# KiCad board haasoscope_pro_adc_fpga_board.kicad_pcb (continued)
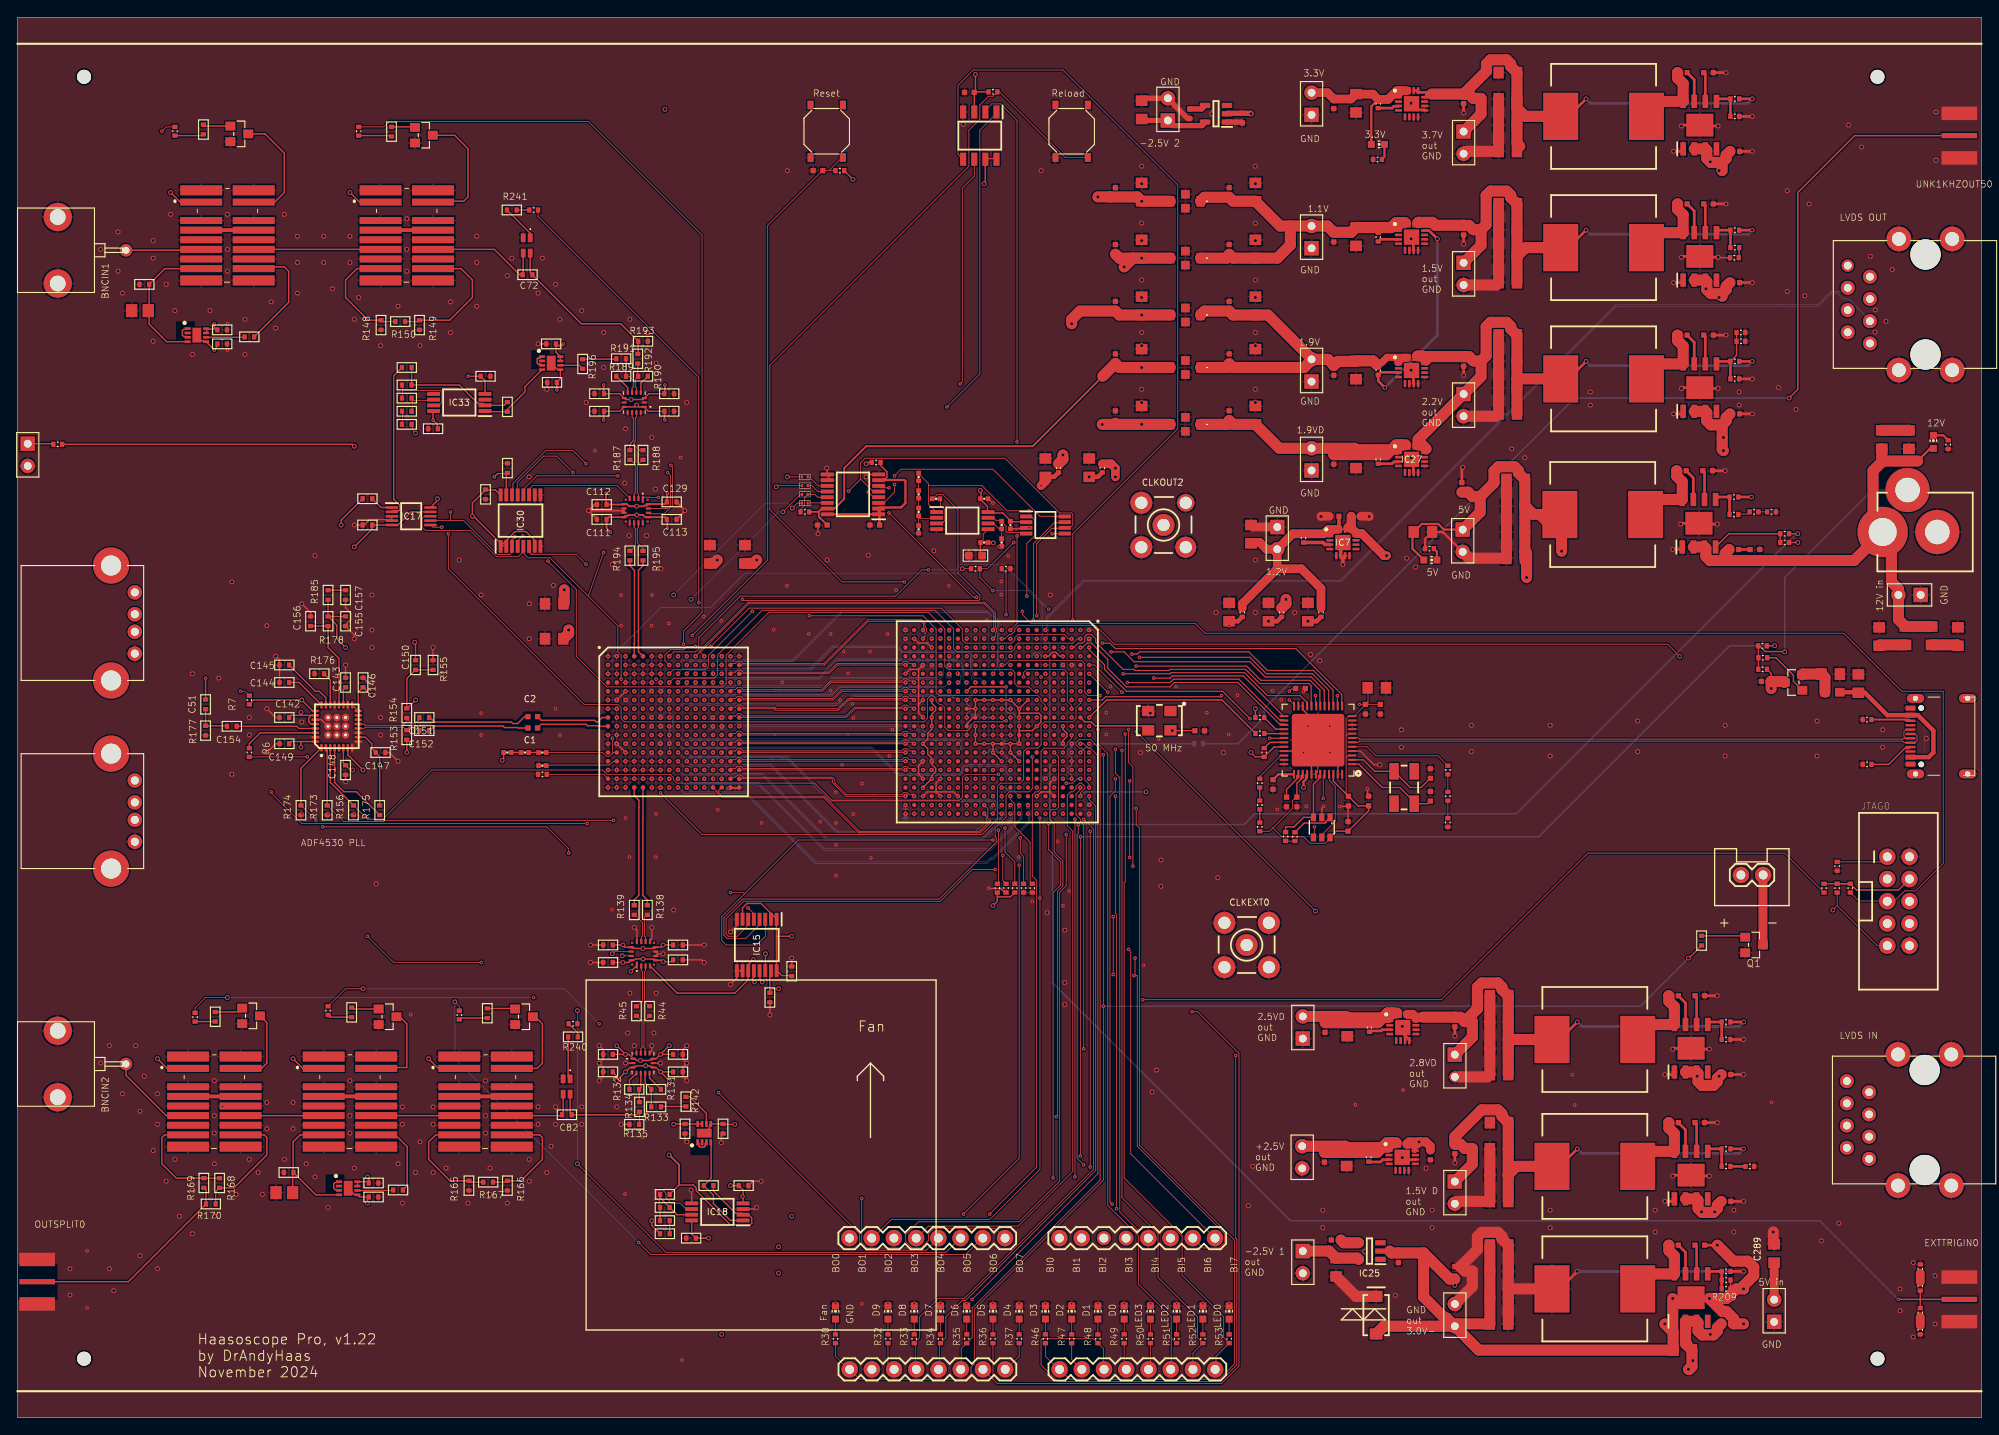
[diagram p0: board, top side]
## Routing (per net, layer and track width the routed paths; a pad name or vN(x,y) marks a point on that pad's centre or on a via; arc(x,y) is an arc through that point) (continued)
2V5-2: length 96
  Top w0.152: FL4.9 61.75,119.75 FL4.5 62.05,118.7 C133.P$1 ; FL2.9 20.5,123.62 21.12,123 21.5,123 FL2.5 v1(22.5,122) 22.75,122.25 22.75,122.62 C56.P$1 ; C108.P$1 72.15,117 IC21.3 71.49,116.34 v2(70.15,116.34) 69.51,116.34 IC21.8 68.85,117 C110.P$1 ; IC33.4 53.44,118.51 C135.P$1 v1(51.5,119)
  Top w0.2: v1(67,118) 67,117.05 C110.P$1 ; v1(74,118) 74,117.05 C108.P$1 ; v1(67.28,105.64) 67.28,104.39 C112.P$1 69.28,104.34 IC29.5 69.66,104.39 69.91,104.14 v2(70.78,104.14) 71.63,104.14 71.74,104.24 71.98,104.24 IC29.16 73.98,104.39 C129.P$1 74.23,105.59 v1(74.28,105.64) ; C133.P$1 v1(61.65,117.45)
  Top w0.61: C76.1 128.67,148.23 J4.1 132.08,147.65 135.41,147.65 135.75,147.99 IC10.5
  In4.Cu w1.27: J4.1 130.23,149.5 v2(74,149.5)
2V5D: length 119.5
  Top w0.152: R87.P$1 144.5,92.51 ; R90.P$1 119,109.01
  Top w0.305: 156.69,45.76 156.8,45.45 IC28.1 ; 157.15,46.23 157.55,46.2 IC28.16 ; 157.66,46.23 158.05,46.2 IC28.15 ; R220.P$1 154.55,45.2 154.55,45.12
  Top w1.27: v2(145,93.5) 145,93.01 144.5,92.51 ; v2(119.5,110) 119.5,109.51 119,109.01 ; 157.15,46.23 156.6,46.23 156.04,45.67 C257.1 151.83,45.84 J37.2 ; 157.15,46.23 157.66,46.23 ; 157.15,46.23 156.69,45.77 156.69,45.76 156.12,45.76 155.49,45.12 C258.1
  In4.Cu w1.27: v2(119.5,110) 134,110 135.5,108.5 135.5,97.5 139.5,93.5 v2(145,93.5) 152.42,93.5 152.42,51.34 J37.2
2V5DACOUT: length 113.1
  Top w0.089: R181.P$2 45.12,113.5 45.12,112.88 v2(45.5,112.5)
  Top w0.152: R172.P$2 72.5,21.95 v2(72.5,22.5) ; IC17.10 48,104.8 v2(48,105)
  In7.Cu w0.152: v2(72.5,22.5) 76.5,26.5 76.5,31 69.5,31 67,33.5 67,35 48,54 v2(48,105) 48,110 v2(45.5,112.5)
2V8D: length 63.4
  Top w0.089: IC28.12 159.88,45.38 159.85,45.6
  Top w0.305: 160.65,45.75 160.05,45.95 159.05,45.95 ; R227.P$2 v2(197.3,45.2) ; IC28.14 158.93,46.07 159.05,45.95 ; 159.05,45.95 IC28.13 ; L11.2 176.3,43.2 v2(178.3,45.2)
  Top w1: 159.85,45.6 159.85,45.7 159.81,45.75 ; 159.48,46.07 159.47,46.09 158.89,46.09 158.9,46.07 159.48,46.07 ; 159.48,46.07 159.81,45.75 ; 159.81,45.75 160.65,45.75
  Top w1.27: C305.1 C304.1 170.4,43.2 ; 170.4,43.2 L11.2 ; 170.4,43.2 C302.1 C303.1 169.69,48.91 169.69,49.2 169.23,49.66 167.37,49.66 166.88,49.17 166.88,46.71 165.42,45.25 ; 160.65,45.75 C274.1 164.31,45.74 164.93,45.74 165.42,45.25 ; 165.42,45.25 166.3,45.25 166.3,43.47 J42.1
  Bottom w0.305: v2(178.3,45.2) 178.8,44.7 196.8,44.7 v2(197.3,45.2)
3V0-: length 263.2
  Top w0.152: R209.P$1 195.81,14.71 R232.P$1
  Top w0.305: C281.2 v2(194.3,19.7) ; v2(193.4,13.6) 191.4,13.6 PS13.9 189.3,13.7 v2(189.2,13.6) ; PS13.1 189.11,10.7 v2(188.3,10.7) ; IC25.2 155.8,18.95 156.3,18.95 156.85,19.02 ; R232.P$1 v2(197.3,14.7) ; v2(164.3,15.1) C282.2 ; C279.2 196.17,10.7
  Top w0.61: IC10.2 138.3,149.05 C77.1 140.95,149.05 v2(141,149)
  Top w1.27: v2(194.3,19.7) 196.13,17.87 197.78,17.87 198.47,17.18 198.47,16.22 197.3,15.05 v2(197.3,14.7) 196.46,14.7 195.38,13.61 193.41,13.61 v2(193.4,13.6) 194.88,12.12 195.34,12.12 196.17,11.29 196.17,10.7 v2(197.3,10.7) ; C295.2 C294.2 C296.2 C297.2 164.57,10.7 J44.2 ; D10.A 156.18,10.43 J44.2 ; 160.73,18.81 C252.1 157.07,18.81 156.85,19.02 ; 160.73,18.81 163.72,15.81 164.3,15.81 ; 160.73,18.81 160.73,13.78 163.15,11.36 163.37,11.36 J44.2 ; v2(189.2,13.6) 189.2,9.8 ; 189.2,9.8 v2(188.3,10.7) ; 189.2,9.8 189.24,9.76 189.24,7.85 189.3,7.79 C288.2 167.03,7.7 J44.2
  In4.Cu w1.27: v2(141,149) 173.54,116.46 173.54,95.57 173.5,95.53 173.5,19.63 J44.2
3V3: length 155.5
  Top w0.152: 52,103.12 55.37,99.75 ; 52,103.12 v2(52,103) ; 52,103.12 52,104.5 53.5,106 ; 55.37,99.75 IC30.1 55.25,99.62 ; 55.37,99.75 55.25,99.62 ; 55.37,99.75 56.87,101.25 58.12,101.25 59.12,100.25 IC30.7 ; 112,59.5 112,59 v2(111.5,58.5) ; 112,59.5 113.5,59.5 R84.P$2 ; 112,59.5 R80.P$2 ; 157.85,151.27 157.88,150.88 IC22.1 ; IC6.3 109.38,149.25 109.38,151.38 C58.2 ; 32.4,80.25 31.3,80.25 C142.P$2 ; 32.4,80.25 U2.26 33.61,80.25 33.3,79.94 33.3,79.56 33.3,79.56 33.3,79.5 33.55,79.25 U2.28 ; 32.4,80.25 v2(32.4,80.6) ; 109.5,151.5 109.38,151.5 C58.2 ; 109.5,151.5 v2(109.5,153.5) ; 109.5,151.5 C58.2 ; 109.5,151.5 R79.P$2 ; 53.5,106 C131.P$1 ; 53.5,106 54.62,106 55.12,105.5 IC30.16 ; R15.P$1 97.15,109.15 v2(97,109) ; v2(110.5,141) 110.62,141.12 110.62,143.75 IC6.7 110.75,143.88 111.88,143.88 IC6.8 ; v2(38.5,99.5) 40.5,101.5 40.5,102 C98.P$1 IC17.5 43.5,102 45,103.5 IC17.9 ; R82.P$2 R91.P$2 ; R91.P$2 R92.P$2 ; R91.P$2 210.2,60.3 215.03,60.3 JTAG0.4 ; U2.17 U2.16 38.95,82.9 C143.P$1 40.35,82.6 v2(40.5,82.6) ; R130.1 111.5,100 v2(111.55,99.95) ; U2.10 39.75,77.75 40.5,77 40.5,76.45 C147.P$2 41.4,75.55 v2(41.4,74.6) R175.P$2 ; v2(32.4,76.6) 32.4,77.15 32.5,77.25 ; IC8.32 144.75,76.62 143.62,76.62 R123.P$2 141.5,75.5 v2(141,76) ; IC3.2 115.25,102.38 113.5,102.38 C50.1 113.5,102.5 112.62,103.38 111,103.38 IC4.8 110.88,103.5 110.88,104.12 110,105 C44.1 110.12,105 110.12,105.88 v2(110.05,105.95) ; IC15.7 82.88,58.25 83.38,58.75 85,58.75 86.12,57.62 ; 32.5,77.25 31.3,77.25 C149.P$1 ; 32.5,77.25 U2.32 ; v2(38.3,74) 38.05,74 C148.P$2 37.25,74.8 U2.6 ; 158.22,151.64 158.62,151.62 IC22.16 ; 86.75,55 86.75,51.12 IC15.16 86.88,51 87.38,50.5 88.5,50.5 C93.P$1 ; 86.75,55 v2(88.5,55) ; 86.75,55 86.75,56.88 IC15.1 86.75,57 86.12,57.62 ; R155.P$1 45.5,88.5 v2(45.4,88.6) ; C59.2 134.5,78.5 131.88,78.5 Y2.4 131.75,78.5 v2(132,78.5) ; 86.12,57.62 IC15.2 ; v2(55.4,75.1) 55.57,75.27 R127.1 ; 55.25,99.62 55.87,99.62 IC30.2 ; 158.82,151.64 159.12,151.62 IC22.15 ; v2(141.5,81) R121.P$2 ; v2(95.5,141.5) R78.P$2
  Top w0.254: LED1.A 154.75,149.85 R213.P$1
  Top w0.305: 159.05,31.2 158.55,31.2 IC26.14 ; 159.05,31.2 159.55,31.2 159.55,30.47 ; 159.05,31.2 IC26.13
  Top w0.406: 158.82,31.25 158.83,31.24 IC26.13 ; v2(160.22,31.5) 159.78,31.06 IC26.12 159.76,30.47 159.55,30.47
  Top w1: R18.P$1 125,109 v2(125.5,108.5) v2(125.5,107.5) ; J31.2 149.74,151.41 C245.1 152.45,150.69 C244.1 154.94,151.24 R213.P$1 156.66,150.64 157.67,151.64 158.22,151.64 ; 158.82,151.64 158.22,151.64 ; 158.22,151.64 157.85,151.27
  Top w1.016: v2(160.22,31.5) 159.97,31.25 158.82,31.25 159.07,31.5 v2(160.22,31.5) ; v2(160.22,31.5) 161,31.5 161.5,31 C73.1
  In7.Cu w0.152: v2(141,76) 141,79.4 141.3,79.7 141.3,80.8 v2(141.5,81)
3V7: length 63.2
  Top w0.305: IC22.12 161.05,150.95 161.05,151.2 161.65,151.25 161.05,151.45 160.05,151.45 IC22.13 IC22.14 ; C317.1 171.72,145.02 171.72,145.29 ; L1.2 177.3,148.7 v2(179.3,150.7) ; R221.P$2 v2(198.3,150.7)
  Top w1.27: C314.1 C316.1 171.4,145.61 171.72,145.29 ; C314.1 C315.1 170.69,154.41 170.69,154.7 170.23,155.16 168.37,155.16 167.91,154.7 167.91,153.86 C262.1 ; C314.1 171.4,149.65 172.35,148.7 L1.2 ; C262.1 161.65,151.25 ; C262.1 165.31,151.24 165.93,151.24 166.42,150.75 167.3,150.75 167.3,148.97 J39.1
  Bottom w0.305: v2(198.3,150.7) 197.8,150.2 179.8,150.2 v2(179.3,150.7)
5V: length 126.1
  Top w0.152: v2(194.5,128) 194.86,128.14 ; v2(192.5,23.5) 192.09,23.9 ; v2(195,112) 194.86,112 ; v2(194.5,142.5) 194.86,142.5 ; R237.P$2 200.46,85.03 200.46,84.11 ; v2(194.5,39) C271.1
  Top w0.16: v2(16,41) 17.1,39.9 K1.1 ; K5.1 39.1,138.9 v2(38,140) ; K2.1 32.6,39.9 v2(31.5,41) ; K4.1 18.6,138.9 v2(17.5,140) ; K3.1 48.1,39.9 v2(47,41)
  Top w0.25: v2(147,72) 147,72.66 147.28,72.94 147.28,73.38 IC8.40 ; 159.45,101.05 C287.1 160.53,102.13 162.4,102.13 163.06,101.47 J45.1
  Top w0.254: LED3.A 159.45,99.3 159.45,101.05
  Top w0.305: R233.P$2 v2(198.2,105.2)
  Top w1.016: C289.1 J46.2
  Top w1.27: PS12.2 PS12.3 192.09,24.83 192.09,23.9 192.55,23.44 193.86,23.44 194.32,23.9 194.32,24.27 C275.1 ; J45.1 167.2,103.47 167.2,105.25 ; C291.1 173.3,103.2 174,103.2 ; C291.1 C290.1 171.59,107.91 171.59,108.2 171.13,108.66 169.27,108.66 168.78,108.17 168.78,106.83 167.2,105.25 ; C291.1 C292.1 172.3,99 ; C286.1 165.81,105.75 166.32,105.25 167.2,105.25 ; C267.1 195.32,114.27 195.32,113.9 194.86,113.44 ; 194.86,143.44 194.86,142.5 ; 194.86,143.44 193.55,143.44 193.09,143.9 193.09,144.83 PS2.3 PS2.2 ; 194.86,143.44 195.32,143.9 195.32,144.27 C259.1 ; 194.86,128.44 193.55,128.44 193.09,128.9 193.09,129.83 PS9.3 PS9.2 ; 194.86,128.44 195.32,128.9 195.32,129.27 C263.1 ; 194.86,128.44 194.86,128.14 ; v2(176.5,99) 176.5,100.7 174,103.2 ; 172.3,99 172.5,98.8 v2(172.5,96) ; 172.3,99 C293.1 ; 194.86,113.44 194.86,110.64 v2(195,110.5) ; 194.86,113.44 193.55,113.44 193.09,113.9 193.09,114.83 PS10.3 PS10.2 ; Q2.3 201.86,84.13 C117.2 200.46,84.11 v2(200.46,83.31) ; PS11.2 PS11.3 192.09,39.33 192.09,38.4 192.55,37.94 193.86,37.94 194.32,38.4 194.32,38.77 C271.1 ; 174,103.2 L14.2 ; C279.1 194.32,10.27 194.32,9.9 193.86,9.44 192.55,9.44 192.09,9.9 192.09,10.83 PS13.3 PS13.2 190.66,8.72 190.69,8.7 190.69,8.41 C288.1 191.4,5.8 191.1,5.5 v2(191,5.5)
  vias: v2(191.5,6.5) v2(192,39) v2(193,129) v2(193.5,143.5) v2(193.5,9.5) v2(194,23.5)
12V: length 57.6
  Top w0.254: 217.2,109.31 218.64,110.75 LED2.A
  Top w1.27: 194.76,97.94 209.94,97.94 CN2.PWR ; 194.76,97.94 195.22,98.4 195.22,98.77 C283.1 ; 194.76,97.94 193.45,97.94 192.99,98.4 192.99,99.33 PS14.3 PS14.2 ; CN2.PWR 214.2,100.2 214.2,95.5 215,94.7 J30.2 215,91.2 C319.1 C320.1 ; CN2.PWR 212.1,102.3 212.1,108.2 213.1,109.2 ; 213.1,109.2 213.21,109.31 217.2,109.31 ; 213.1,109.2 C242.1
12VCONNECTED: length 32.7
  Top w0.152: 199,88.15 R239.P$1 199,85.53 R237.P$1 ; 199,88.15 R238.P$1 ; 199,88.15 199.16,88.15 199.77,87.54 201.96,87.54 v2(202,87.5)
  Bottom w0.152: CN2.GNDBREAK 212,106 202,96 v2(202,87.5)
GND: length 417.3
  Top w0.089: IC8.42 148.5,73.62 148.62,73.75 148.62,77.38 IC8.THERMAL ; IC1.T16 IC1.T15
  Top w0.127: IC8.4 153.5,76.16 155.06,74.6 v2(155.7,74.6)
  Top w0.152: 42.75,102.62 IC17.4 42.75,102.5 42.75,102.62 ; 42.75,102.62 42.75,103 IC17.3 ; 42.75,102.62 40.25,102.62 39.62,102 C98.P$2 v2(38.5,102) ; v1(103.5,75) 103,74.5 103,73.5 v1(103.5,73) ; v2(70.5,56) 70.8,55.7 IC14.12 ; 118,71.5 118,72.5 v1(118.5,73) ; 118,71.5 117,71.5 v1(116.5,71) ; 118,71.5 IC5.E20 ; v2(194.4,132.6) 194.45,132.55 R163.P$1 ; v2(78.5,52) 78.2,52.3 C89.P$2 ; R174.P$1 32.4,68.9 v1(32.5,69) ; C95.P$2 80.45,32.25 v2(80.45,31.4) ; U2.27 34.75,79.75 U2.PAD@2_1 ; v1(150,76) 149.5,76.5 149.5,77 150.91,75.59 IC8.47 ; v1(104.5,88) 104,88.5 103,88.5 v1(102.5,89) ; C150.P$2 v2(47.5,88) ; C44.2 111,105 v1(111.5,104.5) ; IC15.10 IC15.9 82.22,50.22 v2(81.5,49.5) ; v2(97,107.5) 97.28,107.78 IC2.8 ; v1(147.5,79) 147.5,80.32 146.91,80.91 146.91,81.31 IC8.22 ; v1(103.5,86) 103,85.5 ; 103,85.5 103,81.5 ; 103,85.5 102,85.5 v1(101.5,85) ; v1(111,60.5) 111.05,60.45 112.38,60.45 112.84,60 R83.P$2 ; v1(154.31,71.85) 154.31,71.14 C121.1 ; C142.P$1 29.5,80 v2(28.5,81) ; v1(103.5,71) 104,71.5 105,71.5 ; 103,81.5 103,80.5 IC5.Y11 v1(103.55,80.05) ; 103,81.5 v1(103.5,82) ; v2(81.5,55.5) 82.22,56.22 IC15.8 ; C143.P$2 40.05,84 v2(40.5,84) ; v2(88.5,52.5) C93.P$2 ; IC14.9 72.35,54.45 72.35,54.49 72.5,54.65 v2(72.5,56) ; C50.2 115.19,101.57 IC3.3 ; v2(65.5,54) C90.P$2 ; C4.1 91.5,101.95 v2(91.5,101) ; v2(38.5,89) 38.5,89.45 C155.P$2 37.5,90.57 38.1,91.17 38.1,91.93 37.5,92.53 C157.P$2 ; v2(66.5,38.5) 66.95,38.95 C85.P$2 66.95,40.05 v2(66.5,40.5) 66.95,40.95 C84.P$2 66.95,42.05 v2(66.5,42.5) ; IC8.33 148.46,76.16 148.62,76 147.91,75.29 IC8.41 ; v2(43.5,75) 42.5,76 C147.P$1 ; v2(77,26) 77.06,25.94 IC18.5 ; IC18.3 84.32,23.83 v2(84.5,24) ; C144.P$2 C145.P$1 29.95,86.55 v2(29.5,87) ; 105,71.5 107,71.5 v1(107.5,71) ; 105,71.5 105,72.5 v1(105.5,73) ; 105,71.5 v1(105.5,71) ; v1(68.5,77) v1(69.5,76) ; IC13.9 v2(73.5,40.5) ; v1(149.31,69.85) 149.09,69.63 IC9.2 ; IC13.2 v2(69.5,40.5) ; C97.P$2 84.05,27 v2(85,27) ; IC14.7 73.2,53 ; 73.2,53 IC14.6 ; 73.2,53 v2(73.8,53) ; IC13.11 72.5,41.9 v2(72.5,42.5) ; C149.P$2 29.5,77 v2(28.5,76) ; C88.P$2 v2(78.5,54) ; R156.P$1 38.4,68.9 v1(38.5,69) ; IC1.T16 82.4,71.9 v1(81.25,71.9) ; C91.P$2 v2(65.5,52) ; C156.P$2 33.5,92 v2(32.5,93) ; v2(129.5,80.5) 129.25,80.5 Y2.2 ; v2(92.5,108.5) 92.56,108.44 IC2.9 92.75,107.75 92.75,107.25 IC2.10 ; R135.P$1 v2(69,33.5) ; R173.P$1 35.4,68.9 v1(35.5,69) ; C125.1 152.1,69.86 C124.1 152.07,69.83 v1(151.14,69.83) ; v2(37.5,72.65) C148.P$1 ; v2(76.5,31.5) 76.3,31.7 C94.P$2 ; v2(37.5,86) C146.P$1 ; v2(76.5,42.5) 76.05,42.05 C86.P$2 76.05,40.95 v2(76.5,40.5) 76.05,40.05 C87.P$2 76.05,38.95 v2(76.5,38.5) ; C92.P$2 v2(86,46) ; v1(68.5,82) v1(69.5,83) ; 119.47,88.03 v1(119.5,88) 119.5,88.05 119.47,88.03
  Top w0.2: v2(65.28,103.64) 65.98,104.34 C112.P$2 ; v2(65.28,103.64) 69.08,103.64 IC29.7 IC29.6 ; v2(65.28,103.64) 66.23,102.69 C111.P$2 ; C113.P$2 76.28,103.59 v2(76.28,103.64) 76.28,103.69 C129.P$2 ; v2(59.5,122.7) C132.P$2 ; v2(60.5,117.5) 60.55,117.55 C133.P$2
  Top w0.25: R235.P$1 160.9,100.4 C287.2 162.85,101.2 162.92,101.13 163,101.13 J45.2
  Top w0.305: v2(190.2,147.6) 190.3,147.7 PS2.9 192.4,147.6 v2(194.4,147.6) ; C259.2 v2(198.3,144.7) ; R222.P$1 v2(198.3,148.7) ; IC26.17 v2(158.3,29.7) 158.55,29.45 159.55,29.45 IC26.10 ; IC27.7 159.55,108.2 159.55,109.45 IC27.17 ; R228.P$1 v2(197.3,43.2) ; v2(190.2,132.6) 190.3,132.7 PS9.9 192.4,132.6 v2(194.4,132.6) ; v2(193.4,27.6) 191.4,27.6 PS12.9 189.3,27.7 v2(189.2,27.6) ; IC22.9 160.8,149.45 160.05,149.45 159.55,149.95 IC22.17 ; C274.2 v2(164.3,43.6) ; v2(190.1,102.1) 190.2,102.2 PS14.9 192.3,102.1 v2(194.3,102.1) ; PS10.1 190.11,114.7 v2(189.3,114.7) ; IC28.17 158.55,44.45 158.55,43.7 159.05,43.2 IC28.8 ; v2(189.2,42.1) 189.3,42.2 PS11.9 191.4,42.1 v2(193.4,42.1) ; IC23.7 159.55,118.2 159.55,119.45 IC23.17 ; IC24.17 159.55,134.7 159.55,133.45 IC24.7 ; C285.2 v2(195.2,108.2) ; v2(178.3,16.7) 176.3,14.7 L13.2 ; v2(194.4,117.6) 192.4,117.6 PS10.9 190.3,117.7 v2(190.2,117.6) ; C270.2 v2(165.3,119.1) ; C271.2 v2(197.3,39.2) ; C266.2 v2(165.3,134.1) ; v2(188.3,39.2) 189.11,39.2 PS11.1 ; C269.2 v2(195.3,123.7) ; v2(165.2,108.6) 165.1,108.6 C286.2 ; C265.2 v2(195.3,138.7) ; v2(188.3,24.7) 189.11,24.7 PS12.1 ; PS14.1 190.01,99.2 v2(189.2,99.2) ; R231.P$2 v2(197.3,16.7) ; C261.2 v2(195.3,153.7) ; R226.P$1 v2(198.3,118.7) ; C267.2 v2(198.3,114.7) ; C263.2 v2(198.3,129.7) ; v2(189.3,144.7) 190.11,144.7 PS2.1 ; C277.2 v2(194.3,33.7) ; v2(189.3,129.7) 190.11,129.7 PS9.1 ; C275.2 v2(197.3,24.7) ; C262.2 v2(165.3,149.1) ; C273.2 v2(194.3,48.2) ; C278.2 v2(164.3,29.1)
  Top w0.406: IC7.6 151.25,99.75 IC7.17 ; IC7.7 151.5,98.25 v2(151.5,97.47)
  Top w0.61: C77.2 139.9,148.05 IC10.1 ; C74.2 133.78,148.45 131.5,150.73 J4.2 128.77,150.77 C76.2
  Top w1: v2(149,102.97) 149.03,103 C53.2 ; v2(154.5,102.97) 154.47,103 C54.2 ; J3.1 141.23,101.77 C52.2
  Top w1.27: C290.2 C291.2 C292.2 C293.2 165.93,98.2 J45.2 ; v2(200.7,21.2) 200.7,19.9 C289.2 ; C298.2 C300.2 C301.2 164.57,24.7 J43.2 ; C303.2 C302.2 C304.2 C305.2 168.03,38.93 J42.2 ; C251.2 153,13.85 D10.C ; C314.2 C316.2 C317.2 165.57,144.7 J39.2 ; 170.4,14.7 C296.1 C297.1 ; 170.4,14.7 L13.2 ; 170.4,14.7 C294.1 C295.1 169.69,20.41 169.69,20.7 169.23,21.16 167.37,21.16 166.88,20.67 166.88,19.19 164.93,17.24 165.42,16.75 166.3,16.75 166.3,14.97 J44.1 ; J41.2 169.03,114.43 C309.2 C308.2 C306.2 C307.2 ; J40.2 169.03,129.43 C313.2 C312.2 C310.2 C311.2
  In2.Cu w0.152: v1(119.5,83) v1(120.5,82) ; v1(115.5,78) 115.07,78 114.67,78.4 114.33,78.4 113.93,78 v1(113.5,78)
  In4.Cu w0.152: v1(109.5,72) 108.9,71.4 108.33,71.4 107.93,71 v1(107.5,71) ; v1(114.5,72) 114.07,72 113.67,71.6 113.1,71.6 v1(112.5,71) ; v1(103.5,73) 103.5,72.47 103.9,72.07 103.9,71.73 103.5,71.33 v1(103.5,71) 103.5,70.57 103.1,70.17 103.1,69.6 v1(102.5,69)
  In7.Cu w0.152: v1(104.5,88) 104.5,87.62 104.1,87.22 104.1,86.6 v1(103.5,86) ; v1(120.5,77) 120,77.5 120,78.5 v1(120.5,79)
  Bottom w0.089: C64.1 v1(122.5,90)
  Bottom w0.152: v1(103.5,86) C66.1 ; C69.1 114.45,75.95 v1(113.5,75) v1(112.5,76) ; v1(106.5,86) C70.1 ; v1(112.5,76) 112.07,76 111.67,76.4 111.33,76.4 110.93,76 v1(110.5,76) ; v1(112.5,76) 112.5,76.43 112.9,76.83 112.9,77.17 112.5,77.57 v1(112.5,78) ; v1(118.5,73) C71.1 ; v1(109.5,83) v1(108.5,82) 108.5,81.57 108.9,81.17 108.9,80.83 108.5,80.43 v1(108.5,80) ; v1(108.5,80) 108.5,79.57 108.9,79.17 108.9,78.83 108.5,78.43 v1(108.5,78) ; v1(108.5,80) 108.93,80 109.33,80.4 109.67,80.4 110.07,80 v1(111.5,80) ; v1(113.5,81) v1(114.5,82) ; v1(120.5,73) 120.5,73.43 120.1,73.83 120.1,74.17 120.5,74.57 v1(120.5,75) 120.5,75.43 120.1,75.83 120.1,76.17 120.5,76.57 v1(120.5,77) C61.1 ; C67.1 v1(101.5,69)
  Bottom w0.305: v2(178.3,16.7) v2(197.3,16.7)
  vias: v1(7.95,19.05) v1(7.95,12.55) v1(23.45,35.55) v1(24,125) v1(24,122) v1(44.95,46.05) v1(53,80.5) v1(53,78) v1(61.5,81) v1(62,78) v1(66,110.5) v1(67.5,87) v1(67.5,85) v1(67.5,82) v1(67.5,81) v1(67.5,78) v1(67.5,77) v1(67.5,74) v1(67.5,72) v1(67.95,58.05) v1(68.5,87) v1(68.5,85) v1(68.5,81) v1(68.5,80) v1(68.5,79) v1(68.5,78) v1(68.5,74) v1(68.5,73) v1(68.5,72) v1(69,94) v1(69,90.5) v1(69.45,25.55) v1(69.5,87) v1(69.5,86) v1(69.5,85) v1(69.5,84) v1(69.5,75) v1(69.5,74) v1(69.5,73) v1(69.5,72) v1(69.5,68.5) v1(69.95,64.05) v1(70.5,86) v1(70.5,85) v1(70.5,84) v1(70.5,75) v1(70.5,74) v1(70.5,73) v1(71.45,32.05) v1(71.5,86) v1(71.5,85) v1(71.5,84) v1(71.5,75) v1(71.5,74) v1(71.5,73) v1(72.55,94) v1(72.5,90.5) v1(72.5,87) v1(72.5,86) v1(72.5,85) v1(72.5,84) v1(72.5,75) v1(72.5,74) v1(72.5,73) v1(72.5,72) v1(72.95,64.05) v1(73,69) v1(73.5,87) v1(73.5,86) v1(73.5,85) v1(73.5,84) v1(73.5,83) v1(73.5,82) v1(73.5,81) v1(73.5,80) v1(73.5,79) v1(73.5,78) v1(73.5,77) v1(73.5,76) v1(73.5,75) v1(73.5,74) v1(73.5,73) v1(73.5,72) v1(74.45,90.75) v1(74.5,80) v1(74.5,79) v1(75.8,109.7) v1(75.95,6.55) v1(78.45,91.55) v1(80.05,69.45) v1(80.45,91.05) v1(80.5,80) v1(80.5,79) v1(81.5,87) v1(82.5,87) v1(85.05,67.95) v1(86.45,90.05) v1(87.41,84.02) v1(87.95,95.05) v1(90.45,89.55) v1(91.75,68.1) v1(92.95,89.55) v1(92.95,83.05) v1(93.55,71.45) v1(93.55,67.95) v1(93.55,65.45) v1(93.55,61.95) v1(93.5,13) v1(94.05,81.95) v1(94.25,74.6) v1(94.45,87.55) v1(94.95,85.05) v1(95.45,81.55) v1(95.55,79.95) v1(95.55,68.95) v1(96.55,72.45) v1(96.5,13) v1(97.45,87.55) v1(97.55,63.95) v1(99.45,89.55) v1(99.5,13) v1(99.66,75.61) v1(100,78.6) v1(100.45,94.55) v1(101.5,90) v1(102.5,13) v1(103.5,79) v1(103.5,76) v1(105.5,13) v1(106.45,95.05) v1(106.5,88) v1(108.5,88) v1(108.5,13) v1(110.5,88) v1(110.5,81) v1(110.5,80) v1(110.5,79) v1(110.5,78) v1(110.79,91.12) v1(111.5,81) v1(111.5,79) v1(111.5,78) v1(111.5,13) v1(112.24,99.49) v1(112.45,95.55) v1(112.45,94.05) v1(112.5,81) v1(112.5,80) v1(112.5,79) v1(113.24,98.49) v1(113.5,88) v1(113.5,80) v1(113.5,79) v1(114.45,64.05) v1(114.5,76) v1(114.5,13) v1(115.5,88) v1(115.5,79) v1(115.65,101.68) v1(116,59) v1(116.5,89) v1(117.5,88) v1(117.5,86) v1(117.5,79) v1(117.5,13) v1(118.9,65.85) v1(119.5,58.5) v1(120.22,60.18) v1(120.5,86) v1(120.5,80) v1(120.5,13) v1(122.5,69) v1(123.5,13) v1(124.45,80.55) v1(124.45,78.05) v1(124.95,83.55) v1(126.5,13) v1(128.72,51.68) v1(129.5,13) v1(130.45,77.55) v1(132.45,83.55) v1(132.5,13) v1(135.5,13) v1(135.95,80.55) v1(138.45,78.05) v1(138.5,13) v1(139.45,82.55) v1(143.45,83.05) v1(144,69.5) v1(144.45,82.05) v1(147,83) v1(147,76) v1(147.31,69.85) v1(150,79) v1(152.93,35.73) v1(158.39,37.42) v1(177.72,39.18) v1(178,35.71) v1(200.5,36) v2(6,17) v2(6,14) v2(9.5,133.5) v2(9.5,40.5) v2(10.5,42.5) v2(10.5,17) v2(11,14.5) v2(11.5,135.5) v2(11.5,131) v2(12,128.5) v2(12,37) v2(13.5,42.5) v2(14,35) v2(14,18.5) v2(14.5,39) v2(15.5,134.5) v2(15.5,132.5) v2(15.5,123) v2(15.5,30.5) v2(16,37) v2(16,33.5) v2(16,17) v2(17,129.5) v2(17,27) v2(17.5,137.5) v2(18,126.5) v2(18,29.5) v2(18.5,23) v2(20,121.5) v2(20,85) v2(20,26) v2(20,21) v2(22,126.5) v2(22.5,38.5) v2(22.5,34.5) v2(22.5,32.5) v2(22.5,29) v2(22.5,23) v2(23,84.5) v2(24,137.5) v2(24,133.5) v2(24,131) v2(24.5,95.5) v2(24.5,73.5) v2(25,25.5) v2(26,125.5) v2(26,121.5) v2(26.5,80) v2(26.5,78) v2(26.5,29.5) v2(27.5,28) v2(28,25.5) v2(28.5,90.5) v2(28.5,36) v2(28.5,33) v2(29,127.5) v2(29.5,124.5) v2(30.5,137.5) v2(30.5,29.5) v2(31.5,36) v2(31.5,33) v2(32,135) v2(32,132) v2(32,128.5) v2(32.5,79.5) v2(33,29) v2(34,98.5) v2(34,27.5) v2(35,135) v2(35,132) v2(35.5,24) v2(36,129) v2(38,135) v2(38,132) v2(38,38.5) v2(38,34.5) v2(38,32.5) v2(38.5,125.5) v2(38.5,28.5) v2(39,128) v2(40.5,94) v2(40.5,90) v2(40.5,88) v2(41,61) v2(41.5,122.5) v2(41.5,80) v2(41.5,78) v2(43.5,127) v2(43.5,29) v2(44,35.5) v2(44,33.5) v2(44,24.5) v2(44.5,137) v2(44.5,133.5) v2(44.5,131) v2(45.5,28) v2(46,122.5) v2(46,31.5) v2(47.5,35.5) v2(47.5,33.5) v2(47.5,28) v2(48.5,85) v2(49,28.5) v2(49.5,127.5) v2(49.5,124) v2(50.5,98) v2(51.5,24.5) v2(52.5,135) v2(52.5,132) v2(52.5,127) v2(53,94) v2(53.5,38.5) v2(53.5,34.5) v2(53.5,32.5) v2(54,28.5) v2(54,25.5) v2(56,130.5) v2(56,24.5) v2(56.5,132.5) v2(58.5,107.5) v2(58.5,93) v2(58.5,89) v2(58.5,29.5) v2(58.5,27) v2(59.5,128.5) v2(59.5,35.5) v2(59.5,33.5) v2(60,132.5) v2(60.5,28) v2(61,31) v2(61.25,95.1) v2(61.5,129.5) v2(61.5,35.5) v2(61.5,33.5) v2(62,125.5) v2(64.5,126.5) v2(64.5,35.5) v2(64.5,33.5) v2(65,116) v2(67,124) v2(67,120) v2(68,97.5) v2(68.5,35.5) v2(69.41,106.79) v2(69.5,122.5) v2(69.5,113) v2(69.75,43.95) v2(69.91,100.79) v2(70,125.5) v2(70,48.5) v2(70.5,42.5) v2(71.91,100.79) v2(72,124) v2(72.5,112) v2(72.75,43.95) v2(72.92,106.11) v2(73,120.5) v2(73,48.5) v2(73.55,97) v2(75,58) v2(76.5,116) v2(88,142.5) v2(92.55,98) v2(97.25,98.55) v2(104.75,99.05) v2(108.13,147.8) v2(117,142.5) v2(117.7,57.7) v2(118.05,94) v2(119.7,55.7) v2(119.7,49.7) v2(119.7,47.2) v2(128.35,75.99) v2(128.5,143) v2(128.5,141) v2(128.5,136.5) v2(128.5,134.5) v2(128.5,130) v2(128.5,128) v2(128.5,124) v2(128.5,122.5) v2(128.5,117.5) v2(128.5,116) v2(129.7,37.2) v2(130.2,39.7) v2(130.7,63.7) v2(130.7,60.7) v2(136.5,149) v2(137,92) v2(137.2,61.7) v2(137.85,75.99) v2(140.7,24.2) v2(141.2,28.7) v2(141.5,143) v2(141.5,141) v2(141.5,136.5) v2(141.5,134.5) v2(141.5,130) v2(141.5,128) v2(141.5,124) v2(141.5,122.5) v2(141.5,117.5) v2(141.5,116) v2(141.5,98) v2(141.5,92) v2(146,92) v2(147.8,87.2) v2(148.85,86.49) v2(149.2,23.7) v2(149.2,21.7) v2(154,18.97) v2(157.5,13.97) v2(158.2,78.6) v2(158.2,76.6) v2(158.3,44.7) v2(158.8,98.2) v2(159.3,150.2) v2(159.3,134.7) v2(159.3,119.7) v2(159.3,109.7) v2(159.8,97.2) v2(161,28.47) v2(161.7,23.7) v2(161.7,21.7) v2(166.2,79.1) v2(166.2,76.1) v2(170.8,110.7) v2(172.3,109.7) v2(175.2,79.1) v2(175.2,75.6) v2(175.2,23.7) v2(175.2,21.7) v2(179.8,117.2) v2(179.8,115.7) v2(185.2,79.6) v2(185.2,76.1) v2(187.2,23.7) v2(187.2,21.2) v2(195.2,79.1) v2(195.2,75.6) v2(196.2,23.7) v2(196.2,21.2) v2(196.8,117.2) v2(196.8,115.7) v2(201.3,117.7) v2(202.3,140.2) v2(202.3,128.7) v2(203.3,115.2) v2(204.3,128.2) v2(204.8,138.7) v2(205.7,79.6) v2(205.7,75.6) v2(206.2,20.2) v2(208.2,22.2) v2(209.3,147.7) v2(210.8,145.2) v2(211.8,132.7) v2(212.37,126.58) v2(212.33,124.04) v2(213.2,78.6) v2(213.2,76.6) v2(213.58,125.27) v2(214.3,131.2) v2(215.2,14.7) v2(215.2,12.2) v2(216.7,17.7) v2(216.7,9.2) v2(218.2,77.6) v2(219.2,16.2) v2(219.2,10.7) v2(219.3,149.2) v2(219.3,143.7)
V11_IN: length 43
  Top w0.152: 138.5,132.75 C47.2 ; 135.25,139.5 C35.1 135.25,139 135.25,139.5
  Top w0.305: 158.15,136.56 158.55,136.45 IC24.16 ; R215.P$1 155.55,135.45 155.55,136 ; IC24.15 159.05,136.45 158.61,136.56 ; IC24.1 157.8,135.7 157.69,136.1
  Top w1.27: 158.61,136.56 158.15,136.56 ; 158.15,136.56 157.69,136.1 ; 158.15,136.56 157.6,136.56 157.04,136 C248.1 152.45,135.45 C249.1 149.74,136.17 J33.2 145.5,136.17 ; 145.5,136.17 145.5,134 144,132.5 C46.2 138.95,132.5 C47.2 ; 145.5,136.17 144.33,136.17 C36.2 138.95,139 C37.2 135.67,139.45 C35.1 ; C45.1 138.25,132.5 138.5,132.75
V19_IN: length 45.6
  Top w0.152: 138.5,120.25 C17.2 ; 155.37,120.33 155.5,120.12 R214.P$1 ; 135.25,120 C15.1 135.25,120.5 135.25,120
  Top w0.2: IC23.1 IC23.16 IC23.15 ; R214.P$1 155.94,120.56
  Top w0.305: 148,120.93 J32.2 ; 153.05,120.7 C246.1 ; 150.34,120.39 C247.1
  Top w0.813: IC23.16 158.91,121.16 158.82,121.07 158.51,121.07 ; IC23.16 158.51,121.07 ; IC23.16 156.54,121.16 155.94,120.56 ; 158.51,121.07 158.25,121.07 157.94,120.76 157.94,120.73 ; 157.94,120.73 157.8,120.59 157.85,120.59 157.94,120.69 157.94,120.73
  Top w1.27: J32.2 149.8,120.93 150.34,120.39 ; C15.1 138.25,120 138.5,120.25 ; C17.2 138.95,120 C16.2 147.07,120 148,120.93 142.93,126 C26.2 138.95,126 C27.2 135.67,126.45 C25.1 ; C246.1 154.94,120.76 155.37,120.33 ; 153.05,120.7 150.95,120.7 C247.1
VBUS: length 17.9
  Top w0.508: FB2.1 210.36,82.89 C118.2 211.17,82.83 213.73,80.27 X1.B4A9 217.23,80.27 219,78.5 219,76 218.47,75.47 X1.A4B9
VBUSCLEAN: length 4.5
  Top w1.27: Q2.2 204.09,84.96 C126.2 206.6,84.57 FB2.2
VCC1V8: length 3.2
  Top w0.152: IC8.38 146.23,73.33 146.23,72.96 145.06,71.78 C114.2
VCC3V3: length 58
  Top w0.089: 154.38,81.5 155.75,81.5 C123.2 ; 154.38,81.5 154.12,81.5 C116.2 ; 154.38,81.5 154.38,83.38 C120.2 ; v1(145.38,83) 145.62,83.25 146,83.25 C122.2 ; C116.2 154.07,81.5 v1(153.38,81.5) ; C116.2 154,81.38 152.88,80.25 152.62,80.25 IC8.12 152.5,80.12 152.12,80.12 151.88,79.88 151.88,77.88 ; IC8.8 152.5,78.12 152.12,78.12 151.88,77.88 ; C124.2 151.88,71.25 151.88,75.38 ; R29.P$1 143.12,67 143.5,67.38 ; C119.2 146.12,70.88 145.75,70.5 145.75,69.62 143.5,67.38 ; IC9.6 150.12,66.25 149.5,65.62 147.75,65.62 147,66.38 144.5,66.38 143.5,67.38 ; v1(145.38,82) 146,81.38 IC8.24 ; 151.88,75.38 152.12,75.62 152.5,75.62 IC8.3 ; 151.88,75.38 151.88,77.88
  Top w0.152: IC8.46 150.41,72.72 C124.2 153.23,69.9 C121.2 154.44,69.35 C125.2 150.75,67 IC9.6 ; C119.2 146.25,72.47 146.73,72.96 146.73,73.33 IC8.39
  In2.Cu w0.089: v1(145.38,83) v1(145.38,82) 152.88,82 v1(153.38,81.5)
